# KiCad board IO_SDR_1.1.kicad_pcb (continued)
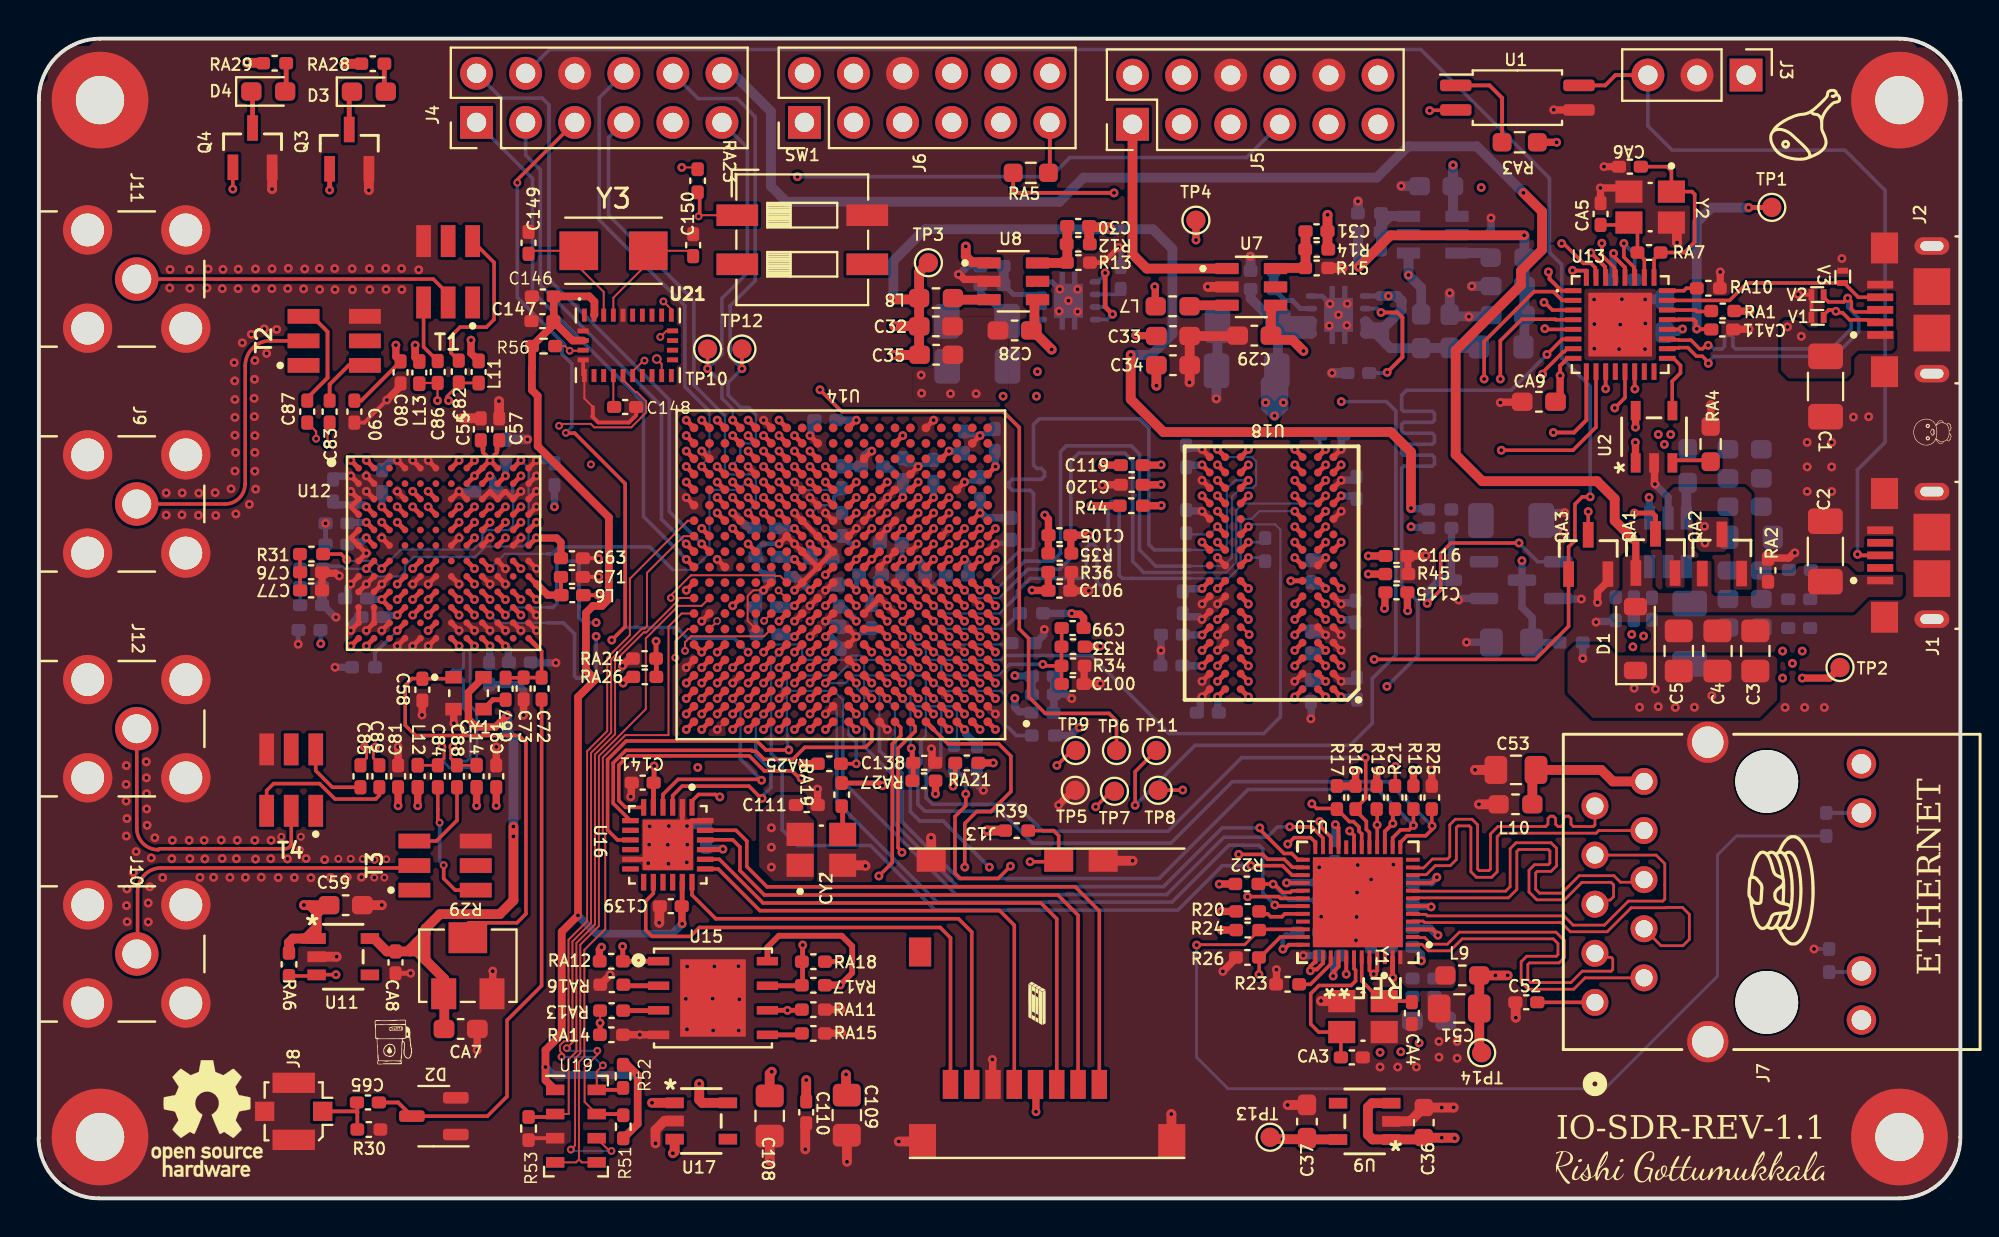
[diagram p0: board, top side]
## Routing (per net, layer and track width the routed paths; a pad name or vN(x,y) marks a point on that pad's centre or on a via; arc(x,y) is an arc through that point) (continued)
/Sheet4/PS-DDR-BA0: length 36.3
  Top.Cu w0.254: U18.M2 v1(66.6,35.54) ; U14.L5 v1(46.31,33.05)
  In2_Sig1.Cu w0.113: v1(66.6,35.54) 67,35.14 67.79,35.14 67.94,35.29 67.94,36.33 68.4,36.79 69.82,36.79 70.12,36.48 70.12,31.43 69.83,31.14 65.59,31.14 65.25,31.48 64.45,31.48 63.48,32.45 56.41,32.45 55.9,32.96 50.36,32.96 49.88,33.45 46.71,33.45 v1(46.31,33.05)
/Sheet4/PS-DDR-BA1: length 36.8
  Top.Cu w0.254: U14.R4 v1(47.11,36.25) ; v1(61,36.34) U18.N8
  In2_Sig1.Cu w0.113: 60.02,35.94 62.11,35.94 62.2,36.02 62.2,36.44 62.13,36.51 61.24,36.51 61.06,36.34 v1(61,36.34) ; v1(47.11,36.25) 47.11,37.37 48.56,38.82 49.07,38.82 49.32,39.08 51.53,39.08 51.69,38.91 51.69,37.63 51.86,37.47 52.08,37.47 52.25,37.63 52.25,39.02 52.42,39.19 52.64,39.19 52.81,39.02 52.81,37.63 52.98,37.47 53.2,37.47 53.37,37.63 53.37,39.02 53.54,39.19 53.76,39.19 53.93,39.02 53.93,37.83 54.09,37.67 54.32,37.67 54.48,37.83 54.48,39.02 54.65,39.19 54.87,39.19 55.04,39.02 55.04,38.56 55.21,38.39 55.43,38.39 55.6,38.56 55.6,39.02 55.77,39.19 55.99,39.19 56.16,39.02 56.16,37.63 56.33,37.47 56.55,37.47 56.72,37.63 56.72,39.02 56.88,39.19 57.11,39.19 57.27,39.02 57.27,38.53 57.44,38.37 57.66,38.37 57.83,38.53 57.83,38.91 58,39.08 58.97,39.08 59.15,38.9 59.15,36.15 59.37,35.94 60.02,35.94
/Sheet4/PS-DDR-BA2: length 35
  Top.Cu w0.254: U14.J5 v1(46.31,30.65) ; v1(65,35.54) U18.M3
  Bottom.Cu w0.113: v1(46.31,30.65) 46.71,30.25 49.72,30.25 50.18,30.72 ; 59.58,32.06 61.56,32.06 62.2,32.7 62.2,34.9 62.44,35.14 62.76,35.14 63.16,35.54 v1(65,35.54)
  Bottom.Cu w0.186: 50.18,30.72 50.64,31.18 50.64,31.4 51.3,32.06 54.04,32.06 54.21,32.23 54.21,33.64 54.38,33.81 54.6,33.81 54.77,33.64 54.77,31.86 54.94,31.69 55.17,31.69 55.34,31.86 55.34,35.88 55.51,36.05 55.74,36.05 55.91,35.88 55.91,32.23 56.08,32.06 59.58,32.06
/Sheet4/PS-DDR-CAS: length 36.7
  Top.Cu w0.254: U14.P5 v1(46.31,35.45) ; v1(65,33.94) U18.K3
  In2_Sig1.Cu w0.113: v1(65,33.94) 64.57,34.36 64.57,35.74 64.37,35.94 62.43,35.94 61.63,35.14 59.18,35.14 58.79,35.52 58.79,37.14 58.51,37.42 57.7,37.42 57.37,37.09 55.59,37.09 55.29,37.4 54.76,37.4 54.5,37.14 51.23,37.14 51.07,37.3 51.07,38.31 50.89,38.49 50.62,38.49 50.54,38.41 50.54,36.38 50.44,36.28 49.47,36.28 49.35,36.41 49.35,36.76 49.45,36.87 49.76,36.87 49.91,37.02 49.91,38.46 49.77,38.6 48.85,38.6 48.79,38.53 48.79,36.31 48.63,36.15 48.01,36.15 47.95,36.22 47.95,36.51 48.1,36.66 48.29,36.66 48.35,36.73 48.35,37.6 48.23,37.73 47.95,37.73 47.51,37.29 47.51,35.92 47.45,35.85 46.8,35.85 46.39,35.45 v1(46.31,35.45)
/Sheet4/PS-DDR-CKE: length 35.3
  Top.Cu w0.254: U14.N3 v1(47.91,34.65) ; v1(60.2,33.94) U18.K9
  In2_Sig1.Cu w0.113: v1(47.91,34.65) 47.9,34.66 47.58,34.66 47.52,34.72 47.52,35.19 47.92,35.6 48.24,35.6 48.3,35.53 48.3,35.14 48.4,35.05 49,35.05 49.4,35.44 51.17,35.44 51.28,35.34 51.28,34.81 51.17,34.71 50.29,34.71 50.18,34.6 50.18,34.33 50.69,33.82 51.59,33.82 51.75,33.99 51.75,34.49 51.92,34.66 52.15,34.66 52.31,34.49 52.31,33.85 52.48,33.69 52.7,33.69 52.87,33.85 52.87,36.27 53.04,36.44 53.26,36.44 53.43,36.27 53.43,33.99 53.6,33.82 55.22,33.82 55.39,33.99 55.39,35.36 55.55,35.53 55.78,35.53 55.95,35.36 55.95,33.82 56.11,33.65 56.34,33.65 56.5,33.82 56.5,35.87 56.67,36.04 56.89,36.04 57.06,35.87 57.06,33.3 57.23,33.14 57.45,33.14 57.62,33.3 57.62,33.88 57.79,34.05 58.01,34.05 58.18,33.88 58.18,33.3 58.35,33.14 58.57,33.14 58.74,33.3 58.74,33.65 58.9,33.82 59.23,33.82 59.34,33.92 60.18,33.92 v1(60.2,33.94)
/Sheet4/PS-DDR-CS: length 33.8
  Top.Cu w0.254: U14.N1 v1(49.51,34.65) ; U18.L2 v1(66.6,34.74)
  In5_Sig2.Cu w0.113: v1(49.51,34.65) 50.94,34.65 51.29,35 51.29,36.43 52.29,37.42 52.76,37.42 52.89,37.55 52.89,38.56 53.02,38.69 53.19,38.69 53.32,38.56 53.32,36.78 53.45,36.65 53.62,36.65 53.75,36.78 53.75,38.56 53.88,38.69 54.05,38.69 54.18,38.56 54.18,37.55 54.31,37.42 55.91,37.42 56.04,37.29 56.04,36.89 56.17,36.76 56.34,36.76 56.47,36.89 56.47,37.29 56.6,37.42 58.79,37.42 58.9,37.32 58.9,36.05 59.81,35.14 61.21,35.14 61.84,35.77 61.84,36.51 62.2,36.87 62.2,38.1 62.43,38.34 63.45,38.34 63.57,38.21 63.57,36.76 64.4,35.94 65.4,35.94 v1(66.6,34.74)
/Sheet4/PS-DDR-ODT: length 35.8
  Top.Cu w0.254: U14.N5 v1(46.31,34.65) ; U18.K1 v1(67.4,33.94)
  In2_Sig1.Cu w0.113: v1(67.4,33.94) 67.31,33.94 66.92,33.54 66.43,33.54 66.14,33.83 66.14,38.77 66.07,38.83 65.62,38.83 65.55,38.77 65.55,36.91 65.37,36.74 59.86,36.74 59.58,37.02 59.58,39.15 59.25,39.48 49.35,39.48 48.91,39.05 48.25,39.05 46.71,37.51 46.71,36.08 46.47,35.85 46.15,35.85 45.91,35.61 45.91,35.13 46.31,34.73 v1(46.31,34.65)
/Sheet4/PS-DDR-RAS: length 36.9
  Top.Cu w0.254: v1(65,33.14) U18.J3 ; U14.P4 v1(47.11,35.45)
  In2_Sig1.Cu w0.113: v1(47.11,35.45) 47.45,35.45 47.84,35.85 50.59,35.85 51.53,36.79 53.51,36.79 53.84,36.46 53.84,35.34 53.97,35.21 54.91,35.21 55.01,35.32 55.01,36.13 55.64,36.76 57.37,36.76 57.47,36.66 57.47,34.44 57.58,34.34 58.06,34.34 58.13,34.41 58.13,34.88 58.29,35.04 58.64,35.04 58.79,34.88 58.79,34.46 58.92,34.34 61.42,34.34 61.49,34.27 61.49,33.18 61.59,33.08 62.05,33.08 62.15,33.18 62.15,34.21 62.27,34.34 62.93,34.34 63.09,34.49 63.09,35.57 63.19,35.67 63.44,35.67 63.52,35.6 63.52,33.84 63.39,33.72 63.15,33.72 63.09,33.65 63.09,33.03 63.15,32.97 63.86,32.97 63.93,33.03 63.93,35.4 63.99,35.47 64.26,35.47 64.35,35.38 64.35,33.2 64.41,33.14 v1(65,33.14)
/Sheet4/PS-DDR-WE: length 36.6
  Top.Cu w0.254: U14.M5 v1(46.31,33.85) ; v1(65,34.74) U18.L3
  In2_Sig1.Cu w0.113: v1(65,34.74) 65.4,34.34 65.4,33.36 66.11,32.65 67.84,32.65 67.96,32.78 67.96,34.71 68.12,34.86 69.36,34.86 69.46,34.76 69.46,31.81 69.16,31.51 68.22,31.51 67.58,32.14 65.42,32.14 64.83,32.74 56.73,32.74 56.11,33.36 50.71,33.36 49.83,34.25 46.71,34.25 v1(46.31,33.85)
/Sheet4/XTAL111: length 1.5
  Top.Cu w0.254: CY2.3 41.6,20.24 RA19.2
BNO_boot: length 24.5
  Top.Cu w0.102: U14.H15 37.91,30.24 v2(37.54,29.87) ; R56.2 27.24,44.08 v2(27.48,43.84) 28.15,43.84 U21.4
  In1.GND1.Cu w0.102: v2(27.48,43.84) 30.29,41.03 30.29,32.81 30.46,32.63 30.46,30.62 31.83,29.25 36.92,29.25 v2(37.54,29.87)
BNO_RESET: length 18.1
  Top.Cu w0.102: v2(31.35,43.33) 31.3,43.33 30.74,42.77 U21.11 ; v3(35.11,29.86) 35.11,29.85 U14.G19
  In1.GND1.Cu w0.102: v3(35.11,29.86) 34.67,30.3 32.15,30.3 31.35,31.1 v2(31.35,43.33)
CD: length 24.3
  Top.Cu w0.186: R39.2 52.52,19.02 52.78,18.75 J13.DS 52.73,17.41 v1(51.3,17.41)
  Top.Cu w0.254: v1(38.31,25.05) U14.B14
  In5_Sig2.Cu w0.113: v1(38.31,25.05) 38.31,24.97 37.91,24.57 37.91,20.89 37.91,20.88 37.91,20.79 39.61,19.1 45.05,19.1 46,18.14 50.57,18.14 v1(51.3,17.41)
CSB: length 34.8
  Top.Cu w0.102: 27.96,2.01 27.96,7.06 28.24,7.34 28.24,12.85 29.32,13.93 29.32,18.82 29.19,18.95 29.19,22.79 30.36,23.96 32.59,23.96 32.59,29.57 33.27,30.25 U14.H20 ; 27.96,2.01 28.11,1.86 U19.5 ; 27.96,2.01 27.81,1.86 U19.4
CTRL_IN0: length 33.5
  Top.Cu w0.254: v1(19.35,36.57) U12.C5 ; v1(35.91,27.45) U14.E17
  In5_Sig2.Cu w0.113: v1(35.91,27.45) 35.51,27.05 35.51,26.69 35.51,26.69 35.51,26.48 35.27,26.25 34.95,26.25 34.71,26.01 34.71,25.69 34.48,25.45 34.27,25.45 34.27,25.45 33,25.45 32.51,24.95 27.6,24.95 26.36,26.2 19.63,26.2 17.36,28.47 17.36,29.53 17.12,29.76 16.79,29.76 16.56,30 16.56,35.13 16.79,35.37 17.12,35.37 17.36,35.61 17.36,35.93 17.59,36.17 18.87,36.17 19.27,36.57 v1(19.35,36.57)
CTRL_IN1: length 30.5
  Top.Cu w0.254: v1(35.11,26.65) U14.D18 ; v1(20.15,36.57) U12.C6
  In5_Sig2.Cu w0.113: v1(20.15,36.57) 20.07,36.57 19.67,36.17 19.19,36.17 18.96,35.93 18.96,35.61 18.72,35.37 18.39,35.37 18.16,35.13 18.16,34.81 17.92,34.57 17.59,34.57 17.36,34.33 17.36,30 17.59,29.76 17.92,29.76 18.16,29.53 18.16,28.23 18.43,27.95 19.83,26.55 26.43,26.55 27.62,25.36 32.23,25.36 33.11,26.25 34.63,26.25 35.03,26.65 v1(35.11,26.65)
CTRL_IN2: length 27.3
  Top.Cu w0.254: v1(35.11,27.45) U14.E18 ; v1(20.15,35.77) U12.D6
  In5_Sig2.Cu w0.113: v1(20.15,35.77) 20.55,35.37 20.55,33.53 19.76,32.73 19.76,31.61 19.52,31.37 19.19,31.37 18.96,31.13 18.96,30 19.19,29.76 19.52,29.76 19.76,29.53 19.76,28.25 20.39,27.62 26.16,27.62 26.65,27.13 26.67,27.13 27.7,26.1 31.59,26.1 33.34,27.85 34.71,27.85 v1(35.11,27.45)
CTRL_IN3: length 26.9
  Top.Cu w0.254: v1(34.31,27.45) U14.E19 ; v1(19.35,35.77) U12.D5
  In5_Sig2.Cu w0.113: v1(19.35,35.77) 19.35,35.68 18.96,35.29 18.96,34.81 18.72,34.57 18.39,34.57 18.16,34.33 18.16,30 18.39,29.76 18.72,29.76 18.96,29.53 18.96,28.21 20.33,26.84 26.55,26.84 27.61,25.78 32.04,25.78 33.3,27.05 33.84,27.05 34.24,27.45 v1(34.31,27.45)
DONE: length 80
  Top.Cu w0.186: v1(40.43,41.82) 41.57,40.68 49.92,40.68 50.74,39.86 50.74,29.45 51.23,28.97 51.23,25.94 52.09,25.08 55.39,25.08 55.77,24.7 TP6.1 55.7,23.16 ; Q4.1 10.05,53.32 v1(10.05,52.2)
  Top.Cu w0.254: v1(40.71,36.25) U14.R11
  In2_Sig1.Cu w0.113: v1(40.71,36.25) 40.31,36.65 40.31,37.21 40.07,37.45 39.75,37.45 39.51,37.69 39.51,41.32 36.95,43.88 31.3,43.88 21.86,53.32 11.22,53.32 10.1,52.2 v1(10.05,52.2)
  In5_Sig2.Cu w0.113: v1(40.71,36.25) 40.71,36.3 40.31,36.71 40.31,41.51 40.38,41.58 40.38,41.76 v1(40.43,41.82)
ETH_RXCTL: length 47.7
  Top.Cu w0.186: U10.13 70.46,18.41 70.49,18.44 70.49,18.44 70.81,18.76 71.77,18.76 72.09,19.07 R25.2
  Top.Cu w0.254: v1(39.11,26.65) U14.D13
  Bottom.Cu w0.113: 45.66,23.68 45.91,23.93 45.91,25.21 45.67,25.45 45.35,25.45 45.11,25.69 45.11,26.81 44.87,27.05 42.95,27.05 42.71,27.28 42.71,27.61 42.48,27.85 42.15,27.85 41.35,27.05 39.59,27.05 39.19,26.65 v1(39.11,26.65)
  Bottom.Cu w0.186: v1(72.1,19.26) 69.82,21.55 61.77,21.55 58.59,18.37 51.43,18.37 49.78,20.03 45.85,20.03 45.5,20.38 45.5,22.34 45.66,22.5 45.66,23.68 45.66,23.68
EXT_CLK_EN: length 135.1
  Top.Cu w0.186: RA6.2 14.33,11.5 U11.3 14.39,11.57 v1(15.39,11.57)
  In5_Sig2.Cu w0.113: 13.63,51.95 13.63,54.98 15.54,56.88 36.85,56.88 37.33,56.4 37.33,54.77 v1(39.26,52.84)
  In5_Sig2.Cu w0.186: 13.63,51.95 13.63,50.55 14.35,49.84 20.94,49.84 21.96,48.82 21.96,44.62 21.02,43.68 16.78,43.68 15.95,44.5 14.47,44.5 13.11,43.14 13.11,30.59 12.31,29.79 12.31,22.53 13.62,21.22 23.77,21.22 24.4,20.59 24.4,20.08 23.46,19.14 23.46,17.12 22.12,15.78 16.8,15.78 16.09,15.07 16.09,12.27 v1(15.39,11.57)
  Bottom.Cu w0.186: v1(39.26,52.84) 52.37,52.84 53.36,53.83 62.5,53.83 J5.7
EXTSYN: length 29
  Top.Cu w0.102: v2(26.93,39.96) 27.03,40.06 28.57,40.06 28.75,39.88 30.66,39.88 31.43,40.65 31.43,41.22 30.96,41.7 30.88,41.7 30.24,42.34 U21.10 ; v2(33.45,28.32) 33.45,28.76 33.75,29.07 37.53,29.07 U14.G15
  In1.GND1.Cu w0.102: v2(33.45,28.32) 31.9,28.32 31.57,28.66 31.57,29.22 30.26,30.53 30.26,32.55 30.06,32.75 30.06,38.75 28.85,39.96 v2(26.93,39.96)
FPGA-REST: length 5.1
  Top.Cu w0.254: U14.C7 v1(44.71,25.85) ; v1(45.15,23.28) 45.21,23.23 45.21,22.58 C138.1 45.26,21.64 RA27.2
  Bottom.Cu w0.113: 45.11,23.68 45.11,25.21 44.88,25.44 44.88,25.6 44.71,25.78 v1(44.71,25.85)
  Bottom.Cu w0.186: v1(45.15,23.28) 45.11,23.32 45.11,23.68
H-INT: length 24.6
  Top.Cu w0.102: U14.G20 33.59,29.45 32.95,28.8 v2(32.95,27.96) ; U21.14 32.24,43.16 v4(31.99,43.41)
  In1.GND1.Cu w0.102: v2(32.95,27.96) 31.97,27.96 31.36,28.57 31.36,29.13 30.05,30.43 30.05,32.47 29.81,32.71 29.81,34.72 29.85,34.77 29.85,37.47 29.36,37.96 v2(28.58,37.96)
  In6_GND2.Cu w0.102: v4(31.99,43.41) 32.01,43.39 32.01,38.3 31.67,37.96 v2(28.58,37.96)
H_RX: length 22
  Top.Cu w0.102: U21.19 32.49,44.87 v2(32.17,44.55) ; U14.K14 38.37,32.19 38.1,32.19 38.07,32.23 33.75,32.23 32.72,31.19 v2(32.72,31.05)
  In1.GND1.Cu w0.102: v2(32.17,44.55) 32.54,44.18 32.54,42.56 31.55,41.57 31.55,32.22 v2(32.72,31.05)
H_TX: length 26.8
  Top.Cu w0.102: U21.20 32.74,45.98 v2(32.33,46.39) ; v2(38.29,31.44) 38.68,31.05 U14.J14
  In1.GND1.Cu w0.102: v2(38.29,31.44) 36.31,29.46 34.93,29.46 34.92,29.47 31.9,29.47 30.66,30.7 30.66,44.73 v2(32.33,46.39)
IO_02_34_AD9361_CLKOUT: length 18.8
  Top.Cu w0.254: v1(35.91,34.65) U14.N17 ; v1(20.15,30.97) U12.J6
  In5_Sig2.Cu w0.113: v1(35.91,34.65) 35.51,34.25 28.46,34.25 27.2,32.98 21.6,32.98 21.08,32.45 21.08,31.81 20.24,30.97 v1(20.15,30.97)
IO_02_34_AD9361_RST: length 19.8
  Top.Cu w0.254: v1(35.11,35.45) U14.P18 ; v1(19.35,30.17) U12.K5
  In5_Sig2.Cu w0.113: v1(35.11,35.45) 34.71,35.05 33.83,35.05 33.66,34.88 28.46,34.88 26.88,33.3 21.61,33.3 20.85,32.55 20.85,31.9 20.32,31.37 19.99,31.37 19.75,31.13 19.75,30.56 v1(19.35,30.17)
IO_L01_34_FB_CLK: length 17.1
  Top.Cu w0.254: v1(37.51,35.45) U14.P15 ; U12.F10 v1(24.15,34.17)
  In5_Sig2.Cu w0.113: v1(37.51,35.45) 37.45,35.51 37.24,35.51 36.9,35.85 36.55,35.85 36.31,36.08 36.31,36.41 36.07,36.65 35.75,36.65 35.51,36.88 35.51,37.21 35.28,37.45 34.47,37.45 33.68,36.65 28.51,36.65 27.01,35.15 26.56,35.15 25.98,34.57 24.56,34.57 v1(24.15,34.17)
IO_L01_34_RX_D0: length 29.4
  Top.Cu w0.254: v1(39.11,38.65) U14.V13 ; U12.K11 v1(24.95,30.17)
  In2_Sig1.Cu w0.113: v1(39.11,38.65) 39.11,38.56 38.71,38.17 38.71,36.89 38.47,36.65 38.15,36.65 37.91,36.41 37.91,36.08 37.67,35.85 37.35,35.85 37.11,35.61 37.11,35.28 36,34.18 35.68,34.18 34.4,32.9 34.4,32.76 34.71,32.44 34.71,32.3 34.5,32.09 34.36,32.09 33.81,32.64 33.67,32.64 33.46,32.43 33.46,32.29 33.56,32.2 33.56,32.06 33.11,31.61 33.11,30.84 32.66,30.39 28.44,30.39 28.24,30.19 28.24,29.22 28.13,29.12 26.13,29.12 25.98,28.97 23.99,28.97 23.76,29.2 23.76,29.54 23.99,29.77 26.02,29.77 26.15,29.9 26.15,30.39 25.98,30.56 25.03,30.56 24.96,30.5 24.96,30.17 v1(24.95,30.17)
IO_L01_34_RX_D1: length 29.7
  Top.Cu w0.254: 25.35,31.37 v1(25.75,30.97) ; v1(38.31,37.05) U14.T14
  In2_Sig1.Cu w0.113: v1(38.31,37.05) 38.23,37.05 37.83,36.65 37.35,36.65 37.11,36.41 37.11,36.09 36.88,35.85 36.72,35.85 36.71,35.85 35.75,35.85 35.51,35.61 35.51,35.28 35.27,35.05 34.95,35.05 34.71,34.81 34.71,33.61 34.49,33.39 34.05,33.39 33.91,33.53 33.91,34.09 33.75,34.25 33.35,34.25 33.11,34.01 33.11,33.25 33.05,33.18 32.56,33.18 32.45,33.08 32.45,32.8 32.56,32.7 32.96,32.7 33.06,32.6 33.06,32.09 32.65,31.67 32.52,31.67 32.39,31.54 32.39,31.2 32.26,31.07 32.09,31.07 31.96,31.2 31.96,31.97 31.83,32.1 31.66,32.1 31.53,31.97 31.53,30.81 31.4,30.68 31.22,30.68 31.1,30.81 31.1,31.91 30.97,32.04 30.79,32.04 30.66,31.91 30.66,30.81 30.54,30.68 30.36,30.68 30.23,30.81 30.23,31.91 30.1,32.04 29.93,32.04 29.8,31.91 29.8,31.8 29.67,31.67 28.67,31.67 28.57,31.57 28.57,31.07 28.46,30.97 27.98,30.97 27.85,31.1 27.85,31.31 27.72,31.44 27.55,31.44 27.42,31.31 27.42,30.09 27.29,29.96 27.12,29.96 26.99,30.09 26.99,30.84 26.86,30.97 v1(25.75,30.97)
IO_L02_34_RX_D2: length 26.6
  Top.Cu w0.254: U12.K10 v1(24.15,30.17) ; v1(39.11,37.85) U14.U13
  In2_Sig1.Cu w0.113: v1(28.85,29.78) 28.92,29.78 29.31,30.17 32.88,30.17 36.21,33.5 36.21,33.91 37.2,34.9 37.53,34.9 37.91,35.28 37.91,35.61 38.15,35.85 38.47,35.85 38.71,36.08 38.71,36.52 38.84,36.65 39.28,36.65 39.51,36.88 39.51,37.37 39.11,37.76 v1(39.11,37.85)
  Bottom.Cu w0.113: v1(24.15,30.17) 24.55,30.56 26.31,30.56
  Bottom.Cu w0.186: v1(28.85,29.78) 28.21,29.78 27.96,30.03 27.96,32.84 27.85,32.95 26.92,32.95 26.82,32.84 26.82,30.77 26.61,30.56 26.31,30.56
IO_L02_34_RX_D3: length 28.3
  Top.Cu w0.254: v1(39.91,37.85) U14.U12 ; U12.J11 v1(24.95,30.97)
  In5_Sig2.Cu w0.113: v1(39.91,37.85) 39.51,37.45 39.51,36.09 39.27,35.85 38.95,35.85 38.71,35.61 38.71,35.28 37.33,33.91 37.33,33.59 36.87,33.12 36.87,32.98 36.98,32.86 36.98,32.72 36.78,32.51 36.64,32.51 36.52,32.63 36.38,32.63 36.17,32.42 36.17,32.28 36.29,32.16 36.29,32.02 36.08,31.82 35.94,31.82 35.58,32.18 35.44,32.18 35.23,31.97 35.23,31.83 35.59,31.47 35.59,31.33 35.38,31.12 35.24,31.12 34.18,32.18 34.04,32.18 33.83,31.97 33.83,31.83 34.63,31.03 34.63,30.89 34.59,30.85 33.72,30.85 33.45,30.57 28.37,30.57 28.26,30.46 28.26,29.41 28.15,29.3 27.81,29.3 27.7,29.41 27.7,30.97 27.59,31.08 27.25,31.08 27.14,30.97 27.14,30.68 27.03,30.57 25.35,30.57 v1(24.95,30.97)
IO_L03_34_RX_D4: length 26.2
  Top.Cu w0.254: U12.K9 v1(23.35,30.17) ; v1(39.91,37.05) U14.T12
  In2_Sig1.Cu w0.113: v1(28.85,29.07) 29.74,29.96 32.97,29.96 36.35,33.33 36.76,33.33 38.71,35.28 38.71,35.61 38.95,35.85 39.27,35.85 39.51,36.08 39.51,36.56 39.91,36.97 v1(39.91,37.05)
  Bottom.Cu w0.113: v1(23.35,30.17) 23.76,29.76 26.31,29.76
  Bottom.Cu w0.186: 26.31,29.76 27.15,29.76 27.73,29.19 27.73,27.02 27.84,26.91 28.74,26.91 28.85,27.02 v1(28.85,29.07)
IO_L03_34_RX_D5: length 27
  Top.Cu w0.254: U12.J10 v1(24.15,30.97) ; U14.T10 v1(42.31,37.05)
  In5_Sig2.Cu w0.113: v1(42.31,37.05) 42.23,37.05 41.03,35.85 39.75,35.85 39.51,35.61 39.51,35.28 39.27,35.05 38.95,35.05 37.84,33.94 37.84,33.26 36.3,31.72 36.3,30.11 35.51,29.32 29.56,29.32 29.23,29 29.23,28.91 28.61,28.28 24.55,28.28 24.55,30.57 v1(24.15,30.97)
IO_L04_34_RX_D6: length 29
  Top.Cu w0.254: 22.15,30.57 v1(22.55,30.17) ; v1(40.71,37.05) U14.T11
  In2_Sig1.Cu w0.113: v1(40.71,37.05) 41.11,36.65 41.11,36.08 40.87,35.85 40.55,35.85 40.31,35.61 40.31,35.28 40.07,35.05 38.95,35.05 37.86,33.97 37.86,33.12 37.52,32.78 37.38,32.78 37.02,33.14 36.88,33.14 36.67,32.93 36.67,32.79 37.03,32.43 37.03,32.29 36.82,32.08 36.68,32.08 36.25,32.51 36.11,32.51 35.9,32.3 35.9,32.16 36.34,31.73 36.34,31.59 36.3,31.55 35.02,31.55 32.77,29.29 29.39,29.29 29.23,29.14 29.23,28.91 29.01,28.68 28.69,28.68 28.53,28.84 26.72,28.84 26.04,28.17 23.99,28.17 23.75,28.4 23.75,28.73 23.52,28.97 23.19,28.97 22.95,29.21 22.95,29.77 v1(22.55,30.17)
IO_L04_34_RX_D7: length 29.5
  Top.Cu w0.254: U12.J9 v1(23.35,30.97) ; v1(37.51,37.05) U14.T15
  In2_Sig1.Cu w0.113: 35.51,36.08 35.51,36.41 ; 35.51,36.08 35.27,35.85 34.95,35.85 34.71,35.61 34.71,35.28 34.47,35.05 33.83,35.05 32.37,33.59 32.27,33.59 32.14,33.46 32.14,32.52 32.01,32.39 31.84,32.39 31.71,32.52 31.71,33.58 31.58,33.71 31.41,33.71 31.28,33.58 31.28,32.46 31.15,32.33 30.98,32.33 30.85,32.46 30.85,33.58 30.72,33.71 30.55,33.71 30.42,33.58 30.42,32.46 30.29,32.33 30.12,32.33 29.99,32.46 29.99,33.46 29.86,33.59 28.92,33.59 28.47,33.14 28.47,32.95 28.76,32.67 28.76,32.48 28.64,32.36 28.45,32.36 28.05,32.76 27.87,32.76 27.75,32.64 27.75,32.46 28.17,32.03 28.17,31.85 28.05,31.73 27.87,31.73 27.56,32.04 27.37,32.04 26.7,31.36 24.69,31.36 24.56,31.23 24.56,30.72 24.4,30.57 23.02,30.57 22.95,30.63 22.95,30.83 23.06,30.93 23.32,30.93 v1(23.35,30.97) ; 35.51,36.08 35.51,36.41 ; 35.51,36.41 35.75,36.65 37.03,36.65 37.43,37.05 v1(37.51,37.05)
IO_L4N_TO_35: length 35.7
  Top.Cu w0.254: v1(33.51,26.65) U14.D20
  In2_Sig1.Cu w0.113: J6.3 42.16,51.3 40.84,49.97 40.84,47.28 41.79,46.33 41.79,35.1 41.36,34.67 41.36,33.86 39.95,32.45 38.22,32.45 37.67,31.9 37.67,31.84 37.9,31.61 37.9,31.29 35.73,29.12 35.73,28.31 35.28,27.85 34.95,27.85 34.71,27.61 34.71,27.29 34.47,27.05 33.99,27.05 33.59,26.65 v1(33.51,26.65)
IO_L4P_TO_35: length 37.6
  Top.Cu w0.254: v1(34.31,26.65) U14.D19
  In2_Sig1.Cu w0.113: v1(34.31,26.65) 34.39,26.65 34.79,27.05 35.27,27.05 35.51,27.29 35.51,27.61 36.08,28.18 36.08,28.93 37.39,30.23 37.72,30.23 38.72,31.24 38.72,31.61 39.23,32.12 40.01,32.12 41.65,33.75 41.65,34.55 42.15,35.05 42.47,35.05 42.71,35.28 42.71,39.55 43.5,40.35 43.5,56.85 J6.4
IO_L05_34_RX_D8: length 29.8
  Top.Cu w0.254: v1(39.91,38.65) U14.V12 ; 21.35,30.57 v1(21.75,30.17)
  In2_Sig1.Cu w0.113: v1(39.91,38.65) 40.26,38.3 40.82,38.3 41.33,37.79 41.33,35.51 40.88,35.05 40.55,35.05 40.31,34.81 39.88,34.81 39.31,34.25 38.95,34.25 38.71,34.01 38.71,33.65 36.16,31.1 35.02,31.1 32.06,28.14 29.59,28.14 29.5,28.23 26.61,28.23 26.18,27.8 23.56,27.8 22.95,28.41 22.95,28.73 22.72,28.97 22.39,28.97 22.15,29.21 22.15,29.68 21.75,30.08 v1(21.75,30.17)
IO_L05_34_RX_D9: length 29.5
  Top.Cu w0.254: 22.15,31.37 v1(22.55,30.97) ; v1(39.11,39.45) U14.W13
  In2_Sig1.Cu w0.113: v1(39.11,39.45) 38.71,39.05 37.28,39.05 37.11,38.88 37.11,38.48 37.35,38.25 37.78,38.25 37.91,38.12 37.91,37.57 37.79,37.45 35.75,37.45 35.51,37.21 35.51,36.88 35.27,36.65 34.95,36.65 32.3,34 28.7,34 26.87,32.16 25.58,32.16 25.36,31.94 24.89,31.94 24.32,31.36 22.22,31.36 22.16,31.43 22.16,31.93 21.77,32.32 20.77,32.32 20.62,32.17 20.62,31.59 21.25,30.96 21.25,30.72 21.41,30.57 22.49,30.57 22.55,30.63 v1(22.55,30.97)
IO_L06_34_RX_D10: length 27.6
  Top.Cu w0.254: 21.35,31.37 v1(21.75,30.97) ; v1(38.31,35.45) U14.P14
  In5_Sig2.Cu w0.113: v1(21.75,30.97) 22.16,31.37 27.65,31.37 27.96,31.67 29.85,31.67 29.96,31.78 29.96,32.83 30.07,32.94 30.41,32.94 30.52,32.83 30.52,30.97 30.63,30.86 30.97,30.86 31.08,30.97 31.08,32.83 31.19,32.94 31.52,32.94 31.64,32.83 31.64,30.97 31.75,30.86 32.08,30.86 32.19,30.97 32.19,31.56 32.31,31.67 32.89,31.67 33.69,32.47 35.9,32.47 37.11,33.68 37.11,34.16 38.31,35.37 v1(38.31,35.45)
IO_L06_34_RX_D11: length 27.5
  Top.Cu w0.254: 22.15,32.17 v1(22.55,31.77) ; v1(38.31,36.25) U14.R14
  In5_Sig2.Cu w0.113: v1(22.55,31.77) 22.96,32.17 27.22,32.17 28.72,33.66 32,33.66 32.1,33.56 32.1,32.27 32.28,32.09 32.76,32.09 33.04,32.37 33.04,33.31 33.18,33.45 33.91,33.45 34.05,33.31 34.05,32.82 34.12,32.75 34.54,32.75 34.64,32.85 34.64,33.56 35.02,33.94 35.39,33.94 35.55,33.78 35.55,32.94 35.62,32.88 35.93,32.88 36.19,33.13 36.19,34.15 36.32,34.28 36.32,34.79 36.58,35.05 37.67,35.05 37.91,35.28 37.91,35.61 37.68,35.85 37.28,35.85 37.11,36.02 37.11,36.57 37.19,36.65 38.24,36.65 38.31,36.58 38.31,36.25 v1(38.31,36.25)
IO_L07_34_RX_FRAME: length 24.2
  Top.Cu w0.254: v1(36.71,40.25) U14.Y16 ; 22.15,32.97 v1(22.55,32.57)
  In2_Sig1.Cu w0.113: v1(36.71,40.25) 36.69,40.27 36.69,40.56 35.88,41.36 25.7,41.36 22.96,38.62 22.96,38.01 22.72,37.77 22.39,37.77 22.15,37.53 22.15,37.2 21.92,36.97 21.59,36.97 21.36,36.73 21.36,34 21.38,33.98 21.38,33.74 v1(22.55,32.57)
IO_L7N: length 25.8
  Top.Cu w0.254: v1(33.51,33.85) U14.M20
  Bottom.Cu w0.186: v1(33.51,33.85) 32.23,35.13 32.23,40.98 25.96,47.25 25.96,53.2 25.2,53.96 J4.3
IO_L7P: length 31
  Top.Cu w0.254: v1(34.31,33.85) U14.M19
  Bottom.Cu w0.186: v1(34.31,33.85) 32.64,35.52 32.64,41.3 26.41,47.53 26.41,56.55 26.05,56.91 23.94,56.91 J4.2
IO_L08_34_CTRL_OUT0: length 27.9
  Top.Cu w0.254: v1(38.31,39.45) U14.W14 ; v1(18.55,35.77) U12.D4
  In2_Sig1.Cu w0.113: v1(18.55,35.77) 18.96,36.17 20.35,36.17 20.62,36.43 20.62,38.08 22.75,40.22 22.75,41.21 24.33,42.78 32.51,42.78 32.86,42.43 36.69,42.43 38.71,40.41 38.71,39.85 v1(38.31,39.45)
IO_L08_34_CTRL_OUT1: length 25.8
  Top.Cu w0.254: v1(38.31,40.25) U14.Y14 ; v1(18.55,34.97) U12.E4
  In2_Sig1.Cu w0.113: v1(38.31,40.25) 37.71,40.85 36.56,42 25.29,42 23.79,40.5 23.44,40.5 20.87,37.93 20.87,35.77 20.47,35.37 19.03,35.37 18.63,34.97 v1(18.55,34.97)
IO_L09_34_TX_FRAME: length 19.1
  Top.Cu w0.254: U12.G9 v1(23.35,32.57) ; v1(36.71,37.05) U14.T16
  Bottom.Cu w0.113: v1(23.35,32.57) 24.12,33.33 26.31,33.33 ; v1(36.71,37.05) 36.63,37.05 36.23,36.65 35.74,36.65 35.74,36.65 34.95,36.65 34.71,36.41 34.71,33.38 33.84,32.51 32.81,32.51
  Bottom.Cu w0.186: 32.81,32.51 31.63,33.69 26.92,33.69 26.56,33.33 26.31,33.33
IO_L9N: length 27.7
  Top.Cu w0.254: v1(33.51,33.05) U14.L20
  Bottom.Cu w0.186: J4.1 25.56,52.75 25.56,46.9 31.3,41.16 31.3,35.26 v1(33.51,33.05)
IO_L10_34_EN_AGC: length 26.4
  Top.Cu w0.254: v1(19.35,32.57) U12.G5 ; v1(37.51,39.45) U14.W15
  In2_Sig1.Cu w0.113: v1(37.51,39.45) 37.11,39.85 37.11,40.69 36.15,41.65 25.48,41.65 22.15,38.33 22.15,38 21.92,37.76 21.59,37.76 21.13,37.3 21.13,34.34 v1(19.35,32.57)
IO_L10P: length 19.5
  Top.Cu w0.254: v1(37.51,38.65) U14.V15
  In5_Sig2.Cu w0.113: v1(37.51,38.65) 37.51,38.73 37.11,39.14 37.11,48.34 32.82,52.63 J4.9
IO_L11_34_ENABLE: length 22
  Top.Cu w0.254: v1(20.15,32.57) U12.G6 ; v1(37.51,37.85) U14.U15
  In2_Sig1.Cu w0.113: v1(37.51,37.85) 37.43,37.85 37.03,38.25 35.75,38.25 35.51,38.01 35.51,37.68 35.27,37.45 34.89,37.45 34.23,36.79 34.23,36.41 32.11,34.29 28.38,34.29 27.1,33 25.6,33 25.36,32.76 25.36,32.41 25.12,32.17 22.32,32.17 21.92,32.57 v1(20.15,32.57)
IO_L11_34_TXNRX: length 29.5
  Top.Cu w0.254: v1(38.31,37.85) U14.U14 ; v1(18.55,31.77) U12.H4
  In5_Sig2.Cu w0.113: v1(38.31,37.85) 37.91,38.25 37.35,38.25 37.11,38.49 37.11,38.81 36.87,39.05 36.55,39.05 36.31,39.29 36.31,39.61 36.07,39.85 35.75,39.85 35.51,40.09 35.51,40.41 34.8,41.12 25.56,41.12 24.56,40.12 24.56,38.62 23.71,37.77 23.19,37.77 22.96,37.53 22.96,37.2 21.92,36.17 19.99,36.17 19.75,35.93 19.75,34 18.96,33.21 18.96,32.17 v1(18.55,31.77)
IO_L12_MRCC_34_DATA_CLK: length 13.9
  Top.Cu w0.254: U12.G11 v1(24.95,32.57) ; v1(35.11,37.85) U14.U18
  In2_Sig1.Cu w0.113: v1(35.11,37.85) 35.02,37.85 34.84,37.67 34.7,37.67 33.67,36.65 33.35,36.65 33.11,36.41 33.11,36.09 31.6,34.58 28.06,34.58 26.8,33.32 25.22,33.32 24.95,33.05 v1(24.95,32.57)
IO_L12N: length 24
  Top.Cu w0.254: v1(34.31,37.85) U14.U19
  Bottom.Cu w0.113: v1(34.31,37.85) 34.31,37.93 34.71,38.33 34.71,40.71
  Bottom.Cu w0.186: 34.71,40.71 34.56,40.85 33.44,41.98 33.44,46.17 29.01,50.6 29.01,56.92 J4.8
IO_L15_34_TX_D0: length 18.5
  Top.Cu w0.254: v1(33.51,37.05) U14.T20 ; 25.35,34.57 v1(25.75,34.97)
  In5_Sig2.Cu w0.113: v1(33.51,37.05) 32.81,37.05 32.63,37.23 32.63,38.11 32.4,38.34 31.27,38.34 31.14,38.21 31.14,37.61 31.01,37.48 30.84,37.48 30.71,37.61 30.71,38.22 30.58,38.35 30.41,38.35 30.28,38.22 30.28,37.61 30.15,37.48 29.98,37.48 29.85,37.61 29.85,38.22 29.72,38.35 29.55,38.35 29.42,38.22 29.42,37.61 29.29,37.48 29.12,37.48 28.99,37.61 28.99,38.21 28.86,38.34 28.11,38.34 25.94,36.17 24.72,36.17 24.56,36 24.56,35.44 24.63,35.36 25.68,35.36 25.75,35.3 25.75,34.97 v1(25.75,34.97)
